# Allegro board 8880F5-0820_5.brd (continued)
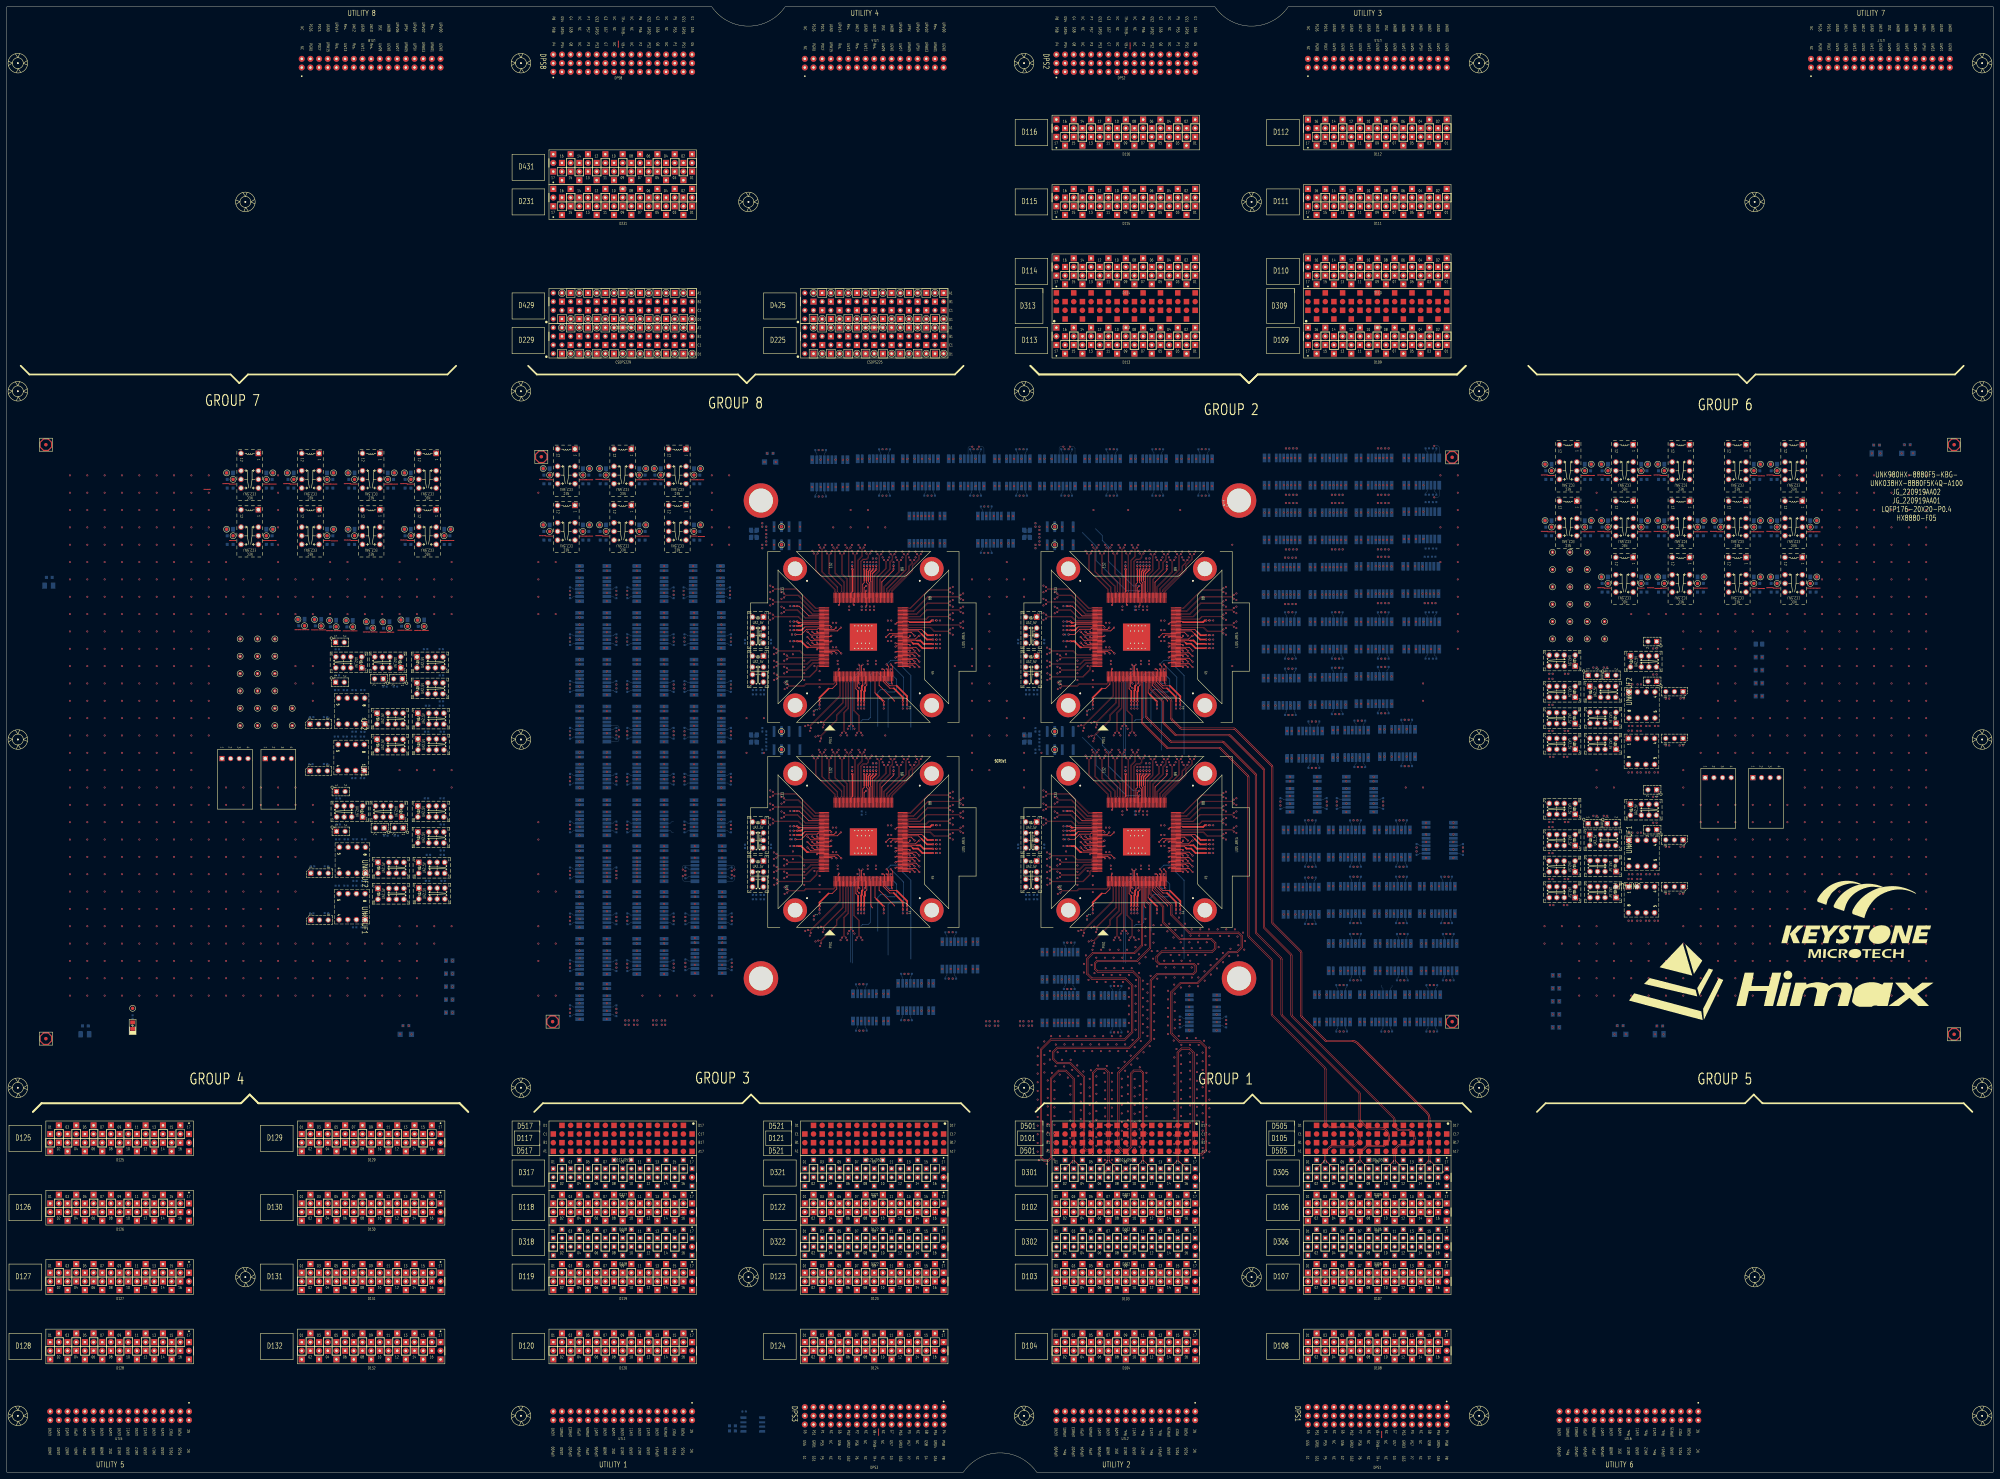
[diagram p0: board, top side]
## Placement (name value [footprint] x y rotation side) (continued)
NOREF#1972  -  []  184.47 256.5 90 top
NOREF#1973  -  []  495.08 257.36 90 top
NOREF#1974  -  []  184.47 258.7 90 top
NOREF#1975  -  []  330.17 225.04 90 top
NOREF#1976  -  []  331.62 205.56 90 top
NOREF#1977  -  []  182.57 144.78 0 top
NOREF#1978  -  []  319.33 183.63 90 top
NOREF#1979  -  []  251.05 264.65 90 top
NOREF#1980  -  []  199.59 171.96 90 top
NOREF#1981  -  []  460.93 210.36 90 top
NOREF#1982  -  []  352.24 189.18 90 top
NOREF#1983  -  []  168.13 213.45 90 top
NOREF#1984  -  []  317.66 224.74 0 top
NOREF#1985  -  []  271.34 241.37 0 top
NOREF#1986  -  []  209.49 150.83 90 top
NOREF#1987  -  []  167.7 233.47 90 top
NOREF#1988  -  []  223.15 211.32 90 top
NOREF#1989  -  []  377.48 273.16 90 top
NOREF#1990  -  []  127.84 167.9 90 top
NOREF#1991  -  []  336.45 164.74 0 top
NOREF#1992  -  []  485.36 289.48 90 top
NOREF#1993  -  []  461.86 230.75 0 top
NOREF#1994  -  []  351.83 288.91 90 top
NOREF#1995  -  []  397.8 146.33 90 top
NOREF#1996  -  []  182.57 226.57 90 top
NOREF#1997  -  []  392.24 199.18 90 top
NOREF#1998  -  []  304.65 211.67 0 top
NOREF#1999  -  []  334.29 205.56 90 top
NOREF#2000  -  []  390.69 241.11 0 top
NOREF#2001  -  []  229.21 188.88 0 top
NOREF#2002  -  []  339.97 264.35 90 top
NOREF#2003  -  []  481.96 273.87 90 top
NOREF#2004  -  []  337.09 223.52 90 top
NOREF#2005  -  []  270.04 280.1 0 top
NOREF#2006  -  []  165.8 185.42 0 top
NOREF#2007  -  []  378.75 256.56 90 top
NOREF#2008  -  []  419.73 131.89 90 top
NOREF#2009  -  []  309.51 189.2 0 top
NOREF#2010  -  []  75.98 273.87 90 top
NOREF#2011  -  []  167.7 174.46 90 top
NOREF#2012  -  []  230.41 187.61 90 top
NOREF#2013  -  []  278.6 147.38 0 top
NOREF#2014  -  []  319.15 288.86 0 top
NOREF#2015  -  []  384.59 162.94 90 top
NOREF#2016  -  []  352.25 183.59 90 top
NOREF#2017  -  []  271.34 245.18 0 top
NOREF#2018  -  []  448.94 273.87 90 top
NOREF#2019  -  []  200.98 258.7 90 top
NOREF#2020  -  []  185.2 290.01 90 top
NOREF#2021  -  []  389.7 209.36 0 top
NOREF#2022  -  []  182.82 203.01 90 top
NOREF#2023  -  []  410.52 289.12 0 top
NOREF#2024  -  []  478.57 277.31 90 top
NOREF#2025  -  []  264.29 272.1 90 top
NOREF#2026  -  []  167.7 159.65 90 top
NOREF#2027  -  []  327.25 265.55 0 top
NOREF#2028  -  []  310.43 188.88 90 top
NOREF#2029  -  []  381.2 226.12 90 top
NOREF#2030  -  []  229.21 247.61 0 top
NOREF#2031  -  []  295.96 188.49 0 top
NOREF#2032  -  []  409.49 180.15 0 top
NOREF#2033  -  []  230.73 187.93 0 top
NOREF#2034  -  []  424.55 146.88 90 top
NOREF#2035  -  []  127.7 238.84 0 top
NOREF#2036  -  []  327.7 131.09 90 top
NOREF#2037  -  []  392.47 272.56 90 top
NOREF#2038  -  []  303.15 271.32 90 top
NOREF#2039  -  []  475.36 127 90 top
NOREF#2040  -  []  395.2 281.11 0 top
NOREF#2041  -  []  369.38 241.11 0 top
NOREF#2042  -  []  410.84 180.15 90 top
NOREF#2043  -  []  310.43 187.61 0 top
NOREF#2044  -  []  209.23 236.67 90 top
NOREF#2045  -  []  211.11 146.93 90 top
NOREF#2046  -  []  371.48 241.11 0 top
NOREF#2047  -  []  401.89 180.15 0 top
NOREF#2048  -  []  94.93 190.55 0 top
NOREF#2049  -  []  423.71 181.22 90 top
NOREF#2050  -  []  112.41 214.71 0 top
NOREF#2051  -  []  302.11 252.14 0 top
NOREF#2052  -  []  217.83 234.63 90 top
NOREF#2053  -  []  199.84 148.65 90 top
NOREF#2054  -  []  471.21 175.95 0 top
NOREF#2055  -  []  383.07 180.2 90 top
NOREF#2056  -  []  201.49 174.46 90 top
NOREF#2057  -  []  232.25 271.67 90 top
NOREF#2058  -  []  175.8 160.9 90 top
NOREF#2059  -  []  184.89 172.56 90 top
NOREF#2060  -  []  412.37 257.37 0 top
NOREF#2061  -  []  262.04 164.72 0 top
NOREF#2062  -  []  201.23 219.75 90 top
NOREF#2063  -  []  448.94 290.38 90 top
NOREF#2064  -  []  483.04 239.09 0 top
NOREF#2065  -  []  396.55 289.12 0 top
NOREF#2066  -  []  168.13 132.17 90 top
NOREF#2067  -  []  263.14 270.2 90 top
NOREF#2068  -  []  322.23 233.13 0 top
NOREF#2069  -  []  250.17 225.04 90 top
NOREF#2070  -  []  396.55 273.11 0 top
NOREF#2071  -  []  250.18 182.88 0 top
NOREF#2072  -  []  117.01 234.24 90 top
NOREF#2073  -  []  211.11 160.4 90 top
NOREF#2074  -  []  393.19 255.21 90 top
NOREF#2075  -  []  257.09 164.74 90 top
NOREF#2076  -  []  331.62 204.35 90 top
NOREF#2077  -  []  402.06 217.61 0 top
NOREF#2078  -  []  241.82 167.13 90 top
NOREF#2079  -  []  310.73 189.2 0 top
NOREF#2080  -  []  331.05 264.65 90 top
NOREF#2081  -  []  477.24 239.09 0 top
NOREF#2082  -  []  423.2 146.88 0 top
NOREF#2083  -  []  410.78 131.89 0 top
NOREF#2084  -  []  320.42 139.64 0 top
NOREF#2085  -  []  377.32 171.39 0 top
NOREF#2086  -  []  463.61 171.53 0 top
NOREF#2087  -  []  390.53 180.15 0 top
NOREF#2088  -  []  226.83 269.63 90 top
NOREF#2089  -  []  115.87 167.82 90 top
NOREF#2090  -  []  495.08 274.77 90 top
NOREF#2091  -  []  351.04 185.5 0 top
NOREF#2092  -  []  329.28 163.82 90 top
NOREF#2093  -  []  379.73 271.21 90 top
NOREF#2094  -  []  215.96 177.06 0 top
NOREF#2095  -  []  229.51 193.69 0 top
NOREF#2096  -  []  201.23 206.29 90 top
NOREF#2097  -  []  310.73 249.2 0 top
NOREF#2098  -  []  354.08 286.96 90 top
NOREF#2099  -  []  378.58 273.11 90 top
NOREF#2100  -  []  371.48 224.6 0 top
NOREF#2101  -  []  390.94 224.9 90 top
NOREF#2102  -  []  165.8 199.39 90 top
NOREF#2103  -  []  404.24 146.88 0 top
NOREF#2104  -  []  35.83 132.61 0 top
NOREF#2105  -  []  209.33 201.79 90 top
NOREF#2106  -  []  289.01 272.1 0 top
NOREF#2107  -  []  400.54 171.64 0 top
NOREF#2108  -  []  116.01 222.33 0 top
NOREF#2109  -  []  330.74 224.74 0 top
NOREF#2110  -  []  118.7 222.88 0 top
NOREF#2111  -  []  249.6 224.74 90 top
NOREF#2112  -  []  230.43 253.37 90 top
NOREF#2113  -  []  259.33 265.56 90 top
NOREF#2114  -  []  405.51 217.61 0 top
NOREF#2115  -  []  328.42 129.74 90 top
NOREF#2116  -  []  371.73 289.12 0 top
NOREF#2117  -  []  217.83 174.63 90 top
NOREF#2118  -  []  166.06 162.12 90 top
NOREF#2119  -  []  271.04 241.69 0 top
NOREF#2120  -  []  253.4 265.56 0 top
NOREF#2121  -  []  322.23 173.13 0 top
NOREF#2122  -  []  254.29 204.35 90 top
NOREF#2123  -  []  182.57 240.28 0 top
NOREF#2124  -  []  237.98 165.04 90 top
NOREF#2125  -  []  334.61 265.86 90 top
NOREF#2126  -  []  167.7 178.86 90 top
NOREF#2127  -  []  378.33 217.11 0 top
NOREF#2128  -  []  396.55 241.11 0 top
NOREF#2129  -  []  389.7 209.36 0 top
NOREF#2130  -  []  396.55 241.11 0 top
NOREF#2131  -  []  165.8 144.78 0 top
NOREF#2132  -  []  184.47 192.32 90 top
NOREF#2133  -  []  511.59 293.82 90 top
NOREF#2134  -  []  107.02 171.57 0 top
NOREF#2135  -  []  239.33 183.63 90 top
NOREF#2136  -  []  330.18 242.88 0 top
NOREF#2137  -  []  256.77 165.04 90 top
NOREF#2138  -  []  201.23 241.43 0 top
NOREF#2139  -  []  453.84 179.06 0 top
NOREF#2140  -  []  302.11 180.71 0 top
NOREF#2141  -  []  310.43 186.34 0 top
NOREF#2142  -  []  412.62 297.12 0 top
NOREF#2143  -  []  398.53 178.25 90 top
NOREF#2144  -  []  303.84 288.86 0 top
NOREF#2145  -  []  342.08 290.13 90 top
NOREF#2146  -  []  295.96 177.06 0 top
NOREF#2147  -  []  108.01 214.71 0 top
NOREF#2148  -  []  310.41 246.34 90 top
NOREF#2149  -  []  230.43 243.09 0 top
NOREF#2150  -  []  119.95 187.53 0 top
NOREF#2151  -  []  175.8 133.97 90 top
NOREF#2152  -  []  201.23 233.47 90 top
NOREF#2153  -  []  222.11 192.14 0 top
NOREF#2154  -  []  377.32 180.15 0 top
NOREF#2155  -  []  448.94 276.41 90 top
NOREF#2156  -  []  282.9 147.38 0 top
NOREF#2157  -  []  305.83 264.31 0 top
NOREF#2158  -  []  105.93 204.27 90 top
NOREF#2159  -  []  336.45 164.72 0 top
NOREF#2160  -  []  182.57 212.85 0 top
NOREF#2161  -  []  192.47 168.6 90 top
NOREF#2162  -  []  101.82 271.33 90 top
NOREF#2163  -  []  369.63 289.12 0 top
NOREF#2164  -  []  175.7 168.6 90 top
NOREF#2165  -  []  461.96 210.36 0 top
NOREF#2166  -  []  192.47 216.45 90 top
NOREF#2167  -  []  390.69 273.11 0 top
NOREF#2168  -  []  209.23 218.65 90 top
NOREF#2169  -  []  385.19 273.11 0 top
NOREF#2170  -  []  107.02 174.04 90 top
NOREF#2171  -  []  263.31 164.74 0 top
NOREF#2172  -  []  201.49 165.4 90 top
NOREF#2173  -  []  346.27 135.17 90 top
NOREF#2174  -  []  383.09 273.11 0 top
NOREF#2175  -  []  253.72 264.65 90 top
NOREF#2176  -  []  451.64 222.5 0 top
NOREF#2177  -  []  341.63 233.83 90 top
NOREF#2178  -  []  451.68 171.53 0 top
NOREF#2179  -  []  263.63 163.82 90 top
NOREF#2180  -  []  352.24 241.05 90 top
NOREF#2181  -  []  342.36 223.82 90 top
NOREF#2182  -  []  310.73 243.41 0 top
NOREF#2183  -  []  394.05 255.47 0 top
NOREF#2184  -  []  410.52 241.11 0 top
NOREF#2185  -  []  387.8 210.63 90 top
NOREF#2186  -  []  165.8 240.28 90 top
NOREF#2187  -  []  413.2 164.91 90 top
NOREF#2188  -  []  397.38 163.64 90 top
NOREF#2189  -  []  231.15 159.63 90 top
NOREF#2190  -  []  192.57 228.97 90 top
NOREF#2191  -  []  316.43 132.91 90 top
NOREF#2192  -  []  316.97 139.64 0 top
NOREF#2193  -  []  248.21 132.69 90 top
NOREF#2194  -  []  327.25 265.56 90 top
NOREF#2195  -  []  115.99 130.36 90 top
NOREF#2196  -  []  272.24 181.05 90 top
NOREF#2197  -  []  396.55 273.11 0 top
NOREF#2198  -  []  284.79 272.65 90 top
NOREF#2199  -  []  379.52 188.15 0 top
NOREF#2200  -  []  379.48 239.21 90 top
NOREF#2201  -  []  379.52 171.39 0 top
NOREF#2202  -  []  209.49 182.06 90 top
NOREF#2203  -  []  272.25 243.59 90 top
NOREF#2204  -  []  256.45 164.74 0 top
NOREF#2205  -  []  250.73 204.35 90 top
NOREF#2206  -  []  383.09 257.11 0 top
NOREF#2207  -  []  331.06 163.82 90 top
NOREF#2208  -  []  165.8 158.5 0 top
NOREF#2209  -  []  300.36 237.06 0 top
NOREF#2210  -  []  165.8 212.85 0 top
NOREF#2211  -  []  175.7 230.17 90 top
NOREF#2212  -  []  352.25 241.05 90 top
NOREF#2213  -  []  93.76 273.87 90 top
NOREF#2214  -  []  463.61 214.96 0 top
NOREF#2215  -  []  175.8 174.36 90 top
NOREF#2216  -  []  375.22 180.15 0 top
NOREF#2217  -  []  412.62 249.11 0 top
NOREF#2218  -  []  390.53 154.88 0 top
NOREF#2219  -  []  230.73 246.66 0 top
NOREF#2220  -  []  383.73 202.38 90 top
NOREF#2221  -  []  201.23 247.18 90 top
NOREF#2222  -  []  230.43 248.88 90 top
NOREF#2223  -  []  424.98 146.33 90 top
NOREF#2224  -  []  378.75 224.15 90 top
NOREF#2225  -  []  346.27 132.97 90 top
NOREF#2226  -  []  392.04 257.11 90 top
NOREF#2227  -  []  390.34 192.28 0 top
NOREF#2228  -  []  283.21 270.2 90 top
NOREF#2229  -  []  319.15 296.86 0 top
NOREF#2230  -  []  257.9 186.35 90 top
NOREF#2231  -  []  301.56 179.06 0 top
NOREF#2232  -  []  406.94 131.34 90 top
NOREF#2233  -  []  397.3 209.36 0 top
NOREF#2234  -  []  373.87 171.39 0 top
NOREF#2235  -  []  373.32 164.66 90 top
NOREF#2236  -  []  330.17 223.82 90 top
NOREF#2237  -  []  185.2 273.5 90 top
NOREF#2238  -  []  286.55 288.41 90 top
NOREF#2239  -  []  272.55 249.5 0 top
NOREF#2240  -  []  254.29 265.55 0 top
NOREF#2241  -  []  390.53 171.64 0 top
NOREF#2242  -  []  419.22 257.37 90 top
NOREF#2243  -  []  238.3 164.74 90 top
NOREF#2244  -  []  265.64 280.1 0 top
NOREF#2245  -  []  295.96 248.49 0 top
NOREF#2246  -  []  473.79 239.64 0 top
NOREF#2247  -  []  66.26 271.33 90 top
NOREF#2248  -  []  334.61 204.65 90 top
NOREF#2249  -  []  337.9 186.35 90 top
NOREF#2250  -  []  451.68 195.91 0 top
NOREF#2251  -  []  263.44 135.19 0 top
NOREF#2252  -  []  264.29 280.1 0 top
NOREF#2253  -  []  379.48 255.21 90 top
NOREF#2254  -  []  254.29 265.56 90 top
NOREF#2255  -  []  330.51 288.86 0 top
NOREF#2256  -  []  351.34 249.5 0 top
NOREF#2257  -  []  410.52 241.11 0 top
NOREF#2258  -  []  390.53 163.64 0 top
NOREF#2259  -  []  473.6 206.05 90 top
NOREF#2260  -  []  201.23 244.98 90 top
NOREF#2261  -  []  344.62 131.89 90 top
NOREF#2262  -  []  209.23 246.08 90 top
NOREF#2263  -  []  172.08 291.65 90 top
NOREF#2264  -  []  400.24 198.08 90 top
NOREF#2265  -  []  346.08 288.86 0 top
NOREF#2266  -  []  392.47 224.3 90 top
NOREF#2267  -  []  404.4 289.17 90 top
NOREF#2268  -  []  341.48 286.96 0 top
NOREF#2269  -  []  118.96 179.19 0 top
NOREF#2270  -  []  412.36 209.61 90 top
NOREF#2271  -  []  209.59 147.43 90 top
NOREF#2272  -  []  310.41 188.88 90 top
NOREF#2273  -  []  352.25 242.96 0 top
NOREF#2274  -  []  461.96 174.55 0 top
NOREF#2275  -  []  118.96 179.19 0 top
NOREF#2276  -  []  369.38 257.11 0 top
NOREF#2277  -  []  352.24 181.05 90 top
NOREF#2278  -  []  346.08 296.86 0 top
NOREF#2279  -  []  272.25 242.96 0 top
NOREF#2280  -  []  230.73 193.69 0 top
NOREF#2281  -  []  256.73 132.14 0 top
NOREF#2282  -  []  226.85 271.67 0 top
NOREF#2283  -  []  127.3 228.02 90 top
NOREF#2284  -  []  230.41 246.34 90 top
NOREF#2285  -  []  378.33 241.11 90 top
NOREF#2286  -  []  287.27 286.96 90 top
NOREF#2287  -  []  265.64 135.19 0 top
NOREF#2288  -  []  184.47 201.89 90 top
NOREF#2289  -  []  384.36 131.89 0 top
NOREF#2290  -  []  419.9 154.88 0 top
NOREF#2291  -  []  106.03 217.88 90 top
NOREF#2292  -  []  237.66 164.72 0 top
NOREF#2293  -  []  252.83 265.86 90 top
NOREF#2294  -  []  312.25 211.67 90 top
NOREF#2295  -  []  271.34 249.5 0 top
NOREF#2296  -  []  199.84 162.12 90 top
NOREF#2297  -  []  352.55 249.5 0 top
NOREF#2298  -  []  250.5 288.86 0 top
NOREF#2299  -  []  192.57 174.36 90 top
NOREF#2300  -  []  251.05 265.86 90 top
NOREF#2301  -  []  392.66 192.88 90 top
NOREF#2302  -  []  11.6 261.68 90 top
NOREF#2303  -  []  393.74 131.44 90 top
NOREF#2304  -  []  229.21 248.88 0 top
NOREF#2305  -  []  272.24 241.05 90 top
NOREF#2306  -  []  414.57 265.37 0 top
NOREF#2307  -  []  239.33 176.03 90 top
NOREF#2308  -  []  398.65 249.11 0 top
NOREF#2309  -  []  327.89 204.35 90 top
NOREF#2310  -  []  271.04 182.96 0 top
NOREF#2311  -  []  483.04 195.66 0 top
NOREF#2312  -  []  418.38 131.89 0 top
NOREF#2313  -  []  371.73 297.12 0 top
NOREF#2314  -  []  271.34 181.37 0 top
NOREF#2315  -  []  194.09 201.29 90 top
NOREF#2316  -  []  238.45 197.01 0 top
NOREF#2317  -  []  192.47 232.37 90 top
NOREF#2318  -  []  461.86 187.32 0 top
NOREF#2319  -  []  419.64 256.82 90 top
NOREF#2320  -  []  465.45 273.87 90 top
NOREF#2321  -  []  258.35 288.91 90 top
NOREF#2322  -  []  168.69 292.55 90 top
NOREF#2323  -  []  310.41 187.61 90 top
NOREF#2324  -  []  167.7 227.72 0 top
NOREF#2325  -  []  410.78 131.89 0 top
NOREF#2326  -  []  333.4 265.56 90 top
NOREF#2327  -  []  309.51 187.93 0 top
NOREF#2328  -  []  412.62 273.37 0 top
NOREF#2329  -  []  272.24 182.32 90 top
NOREF#2330  -  []  259.88 288.41 90 top
NOREF#2331  -  []  253.72 265.86 90 top
NOREF#2332  -  []  331.38 224.74 90 top
NOREF#2333  -  []  215.96 248.49 0 top
NOREF#2334  -  []  167.7 215.35 90 top
NOREF#2335  -  []  274.37 147.93 90 top
NOREF#2336  -  []  230.43 248.88 90 top
NOREF#2337  -  []  398.65 225.11 0 top
NOREF#2338  -  []  230.43 249.52 0 top
NOREF#2339  -  []  331.06 225.04 90 top
NOREF#2340  -  []  182.57 158.5 90 top
NOREF#2341  -  []  309.05 211.67 0 top
NOREF#2342  -  []  250.5 288.86 0 top
NOREF#2343  -  []  415.1 163.64 0 top
NOREF#2344  -  []  184.47 163.2 90 top
NOREF#2345  -  []  373.68 265.11 0 top
NOREF#2346  -  []  459.28 183.57 0 top
NOREF#2347  -  []  395.2 297.12 0 top
NOREF#2348  -  []  118.74 215.34 0 top
NOREF#2349  -  []  339.89 288.31 90 top
NOREF#2350  -  []  252.51 265.56 0 top
NOREF#2351  -  []  247.25 265.56 90 top
NOREF#2352  -  []  117.33 247.35 90 top
NOREF#2353  -  []  400.54 188.15 0 top
NOREF#2354  -  []  254.8 296.86 0 top
NOREF#2355  -  []  309.51 193.69 0 top
NOREF#2356  -  []  208.98 257.6 90 top
NOREF#2357  -  []  308.36 202.16 45 top
NOREF#2358  -  []  419.47 241.11 90 top
NOREF#2359  -  []  264.54 143.19 0 top
NOREF#2360  -  []  229.21 246.34 0 top
NOREF#2361  -  []  332.51 264.35 90 top
NOREF#2362  -  []  343.98 288.86 0 top
NOREF#2363  -  []  453.88 186.77 0 top
NOREF#2364  -  []  387.2 207.46 0 top
NOREF#2365  -  []  167.7 229.07 90 top
NOREF#2366  -  []  166.06 148.4 90 top
NOREF#2367  -  []  388.43 146.88 0 top
NOREF#2368  -  []  328.96 164.74 0 top
NOREF#2369  -  []  343.2 232.26 90 top
NOREF#2370  -  []  330.17 165.04 90 top
NOREF#2371  -  []  259.33 205.55 0 top
NOREF#2372  -  []  199.33 185.42 0 top
NOREF#2373  -  []  290.64 288.86 0 top
NOREF#2374  -  []  306.85 271.67 0 top
NOREF#2375  -  []  343.31 164.72 0 top
NOREF#2376  -  []  277.5 155.38 0 top
NOREF#2377  -  []  271.34 189.5 0 top
NOREF#2378  -  []  310.43 247.61 0 top
NOREF#2379  -  []  235.85 296.61 0 top
NOREF#2380  -  []  425.23 180.72 90 top
NOREF#2381  -  []  165.8 131.57 90 top
NOREF#2382  -  []  263.71 288.86 0 top
NOREF#2383  -  []  478.57 291.28 90 top
NOREF#2384  -  []  263.71 288.86 0 top
NOREF#2385  -  []  242.23 173.13 0 top
NOREF#2386  -  []  300.11 273.24 90 top
NOREF#2387  -  []  250.74 224.74 0 top
NOREF#2388  -  []  182.82 230.19 90 top
NOREF#2389  -  []  332.83 204.65 90 top
NOREF#2390  -  []  400.85 297.12 0 top
NOREF#2391  -  []  251.38 224.74 90 top
NOREF#2392  -  []  377.23 224.65 90 top
NOREF#2393  -  []  167.7 145.93 0 top
NOREF#2394  -  []  118.7 195.7 0 top
NOREF#2395  -  []  272.25 184.86 90 top
NOREF#2396  -  []  215.96 188.49 0 top
NOREF#2397  -  []  396.28 163.69 90 top
NOREF#2398  -  []  310.41 183.09 90 top
NOREF#2399  -  []  259.33 265.56 0 top
NOREF#2400  -  []  251.62 205.56 0 top
NOREF#2401  -  []  461.96 210.36 0 top
NOREF#2402  -  []  410.52 273.37 0 top
NOREF#2403  -  []  310.73 187.93 0 top
NOREF#2404  -  []  298.13 274.06 90 top
NOREF#2405  -  []  339.33 265.56 90 top
NOREF#2406  -  []  107.02 179.19 0 top
NOREF#2407  -  []  343.83 171.63 90 top
NOREF#2408  -  []  184.47 241.43 90 top
NOREF#2409  -  []  244.8 288.61 0 top
NOREF#2410  -  []  192.47 259.8 90 top
NOREF#2411  -  []  331.54 192.73 90 top
NOREF#2412  -  []  208.98 264.1 90 top
NOREF#2413  -  []  467.51 230.2 0 top
NOREF#2414  -  []  313.94 286.96 90 top
NOREF#2415  -  []  411.01 209.61 0 top
NOREF#2416  -  []  331.62 265.56 0 top
NOREF#2417  -  []  184.47 173.11 0 top
NOREF#2418  -  []  461.86 230.75 0 top
NOREF#2419  -  []  329.85 224.72 0 top
NOREF#2420  -  []  392.04 273.11 90 top
NOREF#2421  -  []  192.47 205.19 90 top
NOREF#2422  -  []  501.87 276.41 90 top
NOREF#2423  -  []  128.05 271.33 90 top
NOREF#2424  -  []  254.61 205.86 90 top
NOREF#2425  -  []  552.76 299.72 0 top
NOREF#2426  -  []  259.33 264.35 90 top
NOREF#2427  -  []  310.83 224.63 0 top
NOREF#2428  -  []  249.6 164.74 90 top
NOREF#2429  -  []  118.33 271.33 90 top
NOREF#2430  -  []  343.63 223.82 90 top
NOREF#2431  -  []  250.74 164.74 0 top
NOREF#2432  -  []  386.33 207.21 90 top
NOREF#2433  -  []  167.7 151.68 90 top
NOREF#2434  -  []  451.68 186.77 0 top
NOREF#2435  -  []  167.7 206.29 90 top
NOREF#2436  -  []  298.16 188.49 0 top
NOREF#2437  -  []  223.56 245.29 90 top
NOREF#2438  -  []  237.66 224.72 0 top
NOREF#2439  -  []  329.85 224.74 0 top
NOREF#2440  -  []  184.47 219.75 90 top
NOREF#2441  -  []  262.68 224.74 90 top
NOREF#2442  -  []  383.07 163.44 90 top
NOREF#2443  -  []  305.94 296.86 0 top
NOREF#2444  -  []  201.23 192.32 90 top
NOREF#2445  -  []  273.59 272.15 90 top
NOREF#2446  -  []  248.33 247.93 0 top
NOREF#2447  -  []  119.7 231.22 0 top
NOREF#2448  -  []  473.79 196.21 0 top
NOREF#2449  -  []  221.56 171.46 0 top
NOREF#2450  -  []  344.37 128.27 0 top
NOREF#2451  -  []  201.23 242.78 90 top
NOREF#2452  -  []  167.7 186.57 0 top
NOREF#2453  -  []  303.26 139.64 0 top
NOREF#2454  -  []  327.25 205.55 0 top
NOREF#2455  -  []  259.65 204.65 90 top
NOREF#2456  -  []  332.83 264.65 90 top
NOREF#2457  -  []  423.61 188.92 90 top
NOREF#2458  -  []  253.4 265.56 90 top
NOREF#2459  -  []  418.12 257.42 90 top
NOREF#2460  -  []  303.56 233.86 90 top
NOREF#2461  -  []  167.7 147.28 90 top
NOREF#2462  -  []  118.7 188.08 0 top
NOREF#2463  -  []  201.49 151.93 90 top
NOREF#2464  -  []  407.67 129.99 90 top
NOREF#2465  -  []  331.86 192.43 90 top
NOREF#2466  -  []  339.65 204.65 90 top
NOREF#2467  -  []  453.88 171.53 0 top
NOREF#2468  -  []  398.65 265.37 0 top
NOREF#2469  -  []  271.04 245.5 0 top
NOREF#2470  -  []  424.47 163.19 90 top
NOREF#2471  -  []  329.6 223.52 90 top
NOREF#2472  -  []  194.09 214.75 90 top
NOREF#2473  -  []  110.21 195.15 0 top
NOREF#2474  -  []  415.6 146.88 0 top
NOREF#2475  -  []  405.5 257.37 90 top
NOREF#2476  -  []  334.81 296.86 0 top
NOREF#2477  -  []  253.4 265.55 0 top
NOREF#2478  -  []  462.06 277.31 90 top
NOREF#2479  -  []  409.17 297.12 0 top
NOREF#2480  -  []  251.06 223.82 90 top
NOREF#2481  -  []  414.82 249.11 0 top
NOREF#2482  -  []  167.7 217.55 90 top
NOREF#2483  -  []  329.28 223.82 90 top
NOREF#2484  -  []  177.33 146.68 90 top
NOREF#2485  -  []  261.82 290.13 90 top
NOREF#2486  -  []  371.48 257.11 0 top
NOREF#2487  -  []  392.21 131.94 90 top
NOREF#2488  -  []  230.73 253.69 0 top
NOREF#2489  -  []  175.7 189.02 90 top
NOREF#2490  -  []  385.61 208.56 90 top
NOREF#2491  -  []  199.59 171.96 0 top
NOREF#2492  -  []  352.55 182.64 0 top
NOREF#2493  -  []  388.35 217.36 0 top
NOREF#2494  -  []  229.05 211.67 0 top
NOREF#2495  -  []  300.01 288.31 90 top
NOREF#2496  -  []  281.47 296.86 0 top
NOREF#2497  -  []  318.3 223.52 90 top
NOREF#2498  -  []  396.55 241.11 0 top
NOREF#2499  -  []  405.93 224.66 90 top
NOREF#2500  -  []  118.7 195.7 0 top
NOREF#2501  -  []  110.47 178.64 0 top
NOREF#2502  -  []  229.51 247.93 0 top
NOREF#2503  -  []  417.2 171.64 0 top
NOREF#2504  -  []  449.99 174.46 0 top
NOREF#2505  -  []  383.09 257.11 0 top
NOREF#2506  -  []  279.7 155.38 0 top
NOREF#2507  -  []  395.2 249.11 0 top
NOREF#2508  -  []  184.89 227.17 90 top
NOREF#2509  -  []  366.88 255.21 0 top
NOREF#2510  -  []  184.47 217.55 90 top
NOREF#2511  -  []  388.43 163.64 0 top
NOREF#2512  -  []  201.23 231.27 90 top
NOREF#2513  -  []  209.23 222.95 90 top
NOREF#2514  -  []  128.24 171.1 0 top
NOREF#2515  -  []  192.47 148.38 90 top
NOREF#2516  -  []  310.73 183.41 0 top
NOREF#2517  -  []  352.24 243.59 90 top
NOREF#2518  -  []  376.98 257.11 0 top
NOREF#2519  -  []  388.43 163.64 0 top
NOREF#2520  -  []  412.62 289.12 0 top
NOREF#2521  -  []  294.94 296.86 0 top
NOREF#2522  -  []  184.47 186.57 0 top
NOREF#2523  -  []  237.2 296.61 0 top
NOREF#2524  -  []  237.57 269.63 90 top
NOREF#2525  -  []  411.26 209.66 90 top
NOREF#2526  -  []  263.2 232.26 90 top
NOREF#2527  -  []  119.95 195.15 0 top
NOREF#2528  -  []  369.38 224.6 0 top
NOREF#2529  -  []  168.13 186.02 90 top
NOREF#2530  -  []  272.25 244.86 90 top
NOREF#2531  -  []  377.32 163.39 0 top
NOREF#2532  -  []  247.25 205.56 90 top
NOREF#2533  -  []  459.28 227 90 top
NOREF#2534  -  []  167.7 138.47 90 top
NOREF#2535  -  []  400.91 207.71 0 top
NOREF#2536  -  []  248.61 290.13 90 top
NOREF#2537  -  []  394.46 129.99 90 top
NOREF#2538  -  []  397.8 146.43 90 top
NOREF#2539  -  []  328.96 224.74 0 top
NOREF#2540  -  []  275.28 290.13 90 top
NOREF#2541  -  []  182.57 171.96 90 top
NOREF#2542  -  []  230.43 247.61 90 top
NOREF#2543  -  []  331.62 205.56 0 top
NOREF#2544  -  []  209.23 205.19 90 top
NOREF#2545  -  []  36.1 131.91 0 top
NOREF#2546  -  []  368.03 232.6 0 top
NOREF#2547  -  []  346.27 130.77 90 top
NOREF#2548  -  []  450.03 210.36 0 top
NOREF#2549  -  []  339.33 205.55 0 top
NOREF#2550  -  []  112.16 238.84 0 top
NOREF#2551  -  []  385.36 194.18 90 top
NOREF#2552  -  []  119.95 195.15 0 top
NOREF#2553  -  []  369.38 241.11 0 top
NOREF#2554  -  []  254.29 205.56 90 top
NOREF#2555  -  []  383.09 241.11 0 top
NOREF#2556  -  []  199.33 240.28 90 top
NOREF#2557  -  []  248 286.96 0 top
NOREF#2558  -  []  201.23 217.55 90 top
NOREF#2559  -  []  338.11 288.86 0 top
NOREF#2560  -  []  320.94 211.63 90 top
NOREF#2561  -  []  184.47 159.65 0 top
NOREF#2562  -  []  240.83 194.63 0 top
NOREF#2563  -  []  351.04 249.18 0 top
NOREF#2564  -  []  333.72 265.86 90 top
NOREF#2565  -  []  451.68 171.53 0 top
NOREF#2566  -  []  168.13 254.6 90 top
NOREF#2567  -  []  495.08 259.9 90 top
NOREF#2568  -  []  369.63 273.11 0 top
NOREF#2569  -  []  415.61 183.52 90 top
NOREF#2570  -  []  327.57 204.65 90 top
NOREF#2571  -  []  217.41 213.24 0 top
NOREF#2572  -  []  463.61 179.15 0 top
R1  NC/1M-1-S4  [R0402]  221.23 227.84 180 bottom
R2  NC/1M-1-S4  [R0402]  218.95 227.84 0 bottom
R3  NC/100K-1-S4  [R0402]  184.15 131.06 180 bottom
R4  NC/100K-1-S4  [R0402]  181.61 131.06 180 bottom
R5  0-5-S4  [R0402]  222.38 272.16 270 bottom
R6  1M-1-S4  [R0402]  222.38 274.32 270 bottom
R7  49.9-1-S4  [R0402]  178.5 217.52 90 bottom
R8  49.9-1-S4  [R0402]  178.5 215.38 90 bottom
R9  49.9-1-S4  [R0402]  164.91 217.52 90 bottom
R10  49.9-1-S4  [R0402]  164.91 215.38 90 bottom
R11  49.9-1-S4  [R0402]  212.03 231.24 90 bottom
R12  49.9-1-S4  [R0402]  212.03 229.1 90 bottom
R13  49.9-1-S4  [R0402]  198.44 231.24 90 bottom
R14  49.9-1-S4  [R0402]  198.44 229.1 90 bottom
R15  49.9-1-S4  [R0402]  296.06 299.66 180 bottom
R16  49.9-1-S4  [R0402]  298.21 299.66 180 bottom
R17  49.9-1-S4  [R0402]  296.06 286.07 180 bottom
R18  49.9-1-S4  [R0402]  298.21 286.07 180 bottom
R19  49.9-1-S4  [R0402]  309.27 299.66 180 bottom
R20  49.9-1-S4  [R0402]  311.42 299.66 180 bottom
R21  49.9-1-S4  [R0402]  309.27 286.07 180 bottom
R22  49.9-1-S4  [R0402]  311.42 286.07 180 bottom
R23  49.9-1-S4  [R0402]  349.4 299.66 180 bottom
R24  49.9-1-S4  [R0402]  351.55 299.66 180 bottom
R25  49.9-1-S4  [R0402]  349.4 286.07 180 bottom
R26  49.9-1-S4  [R0402]  351.55 286.07 180 bottom